# KiCad board INS-1 Matrix Display Motherboard.kicad_pcb (continued)
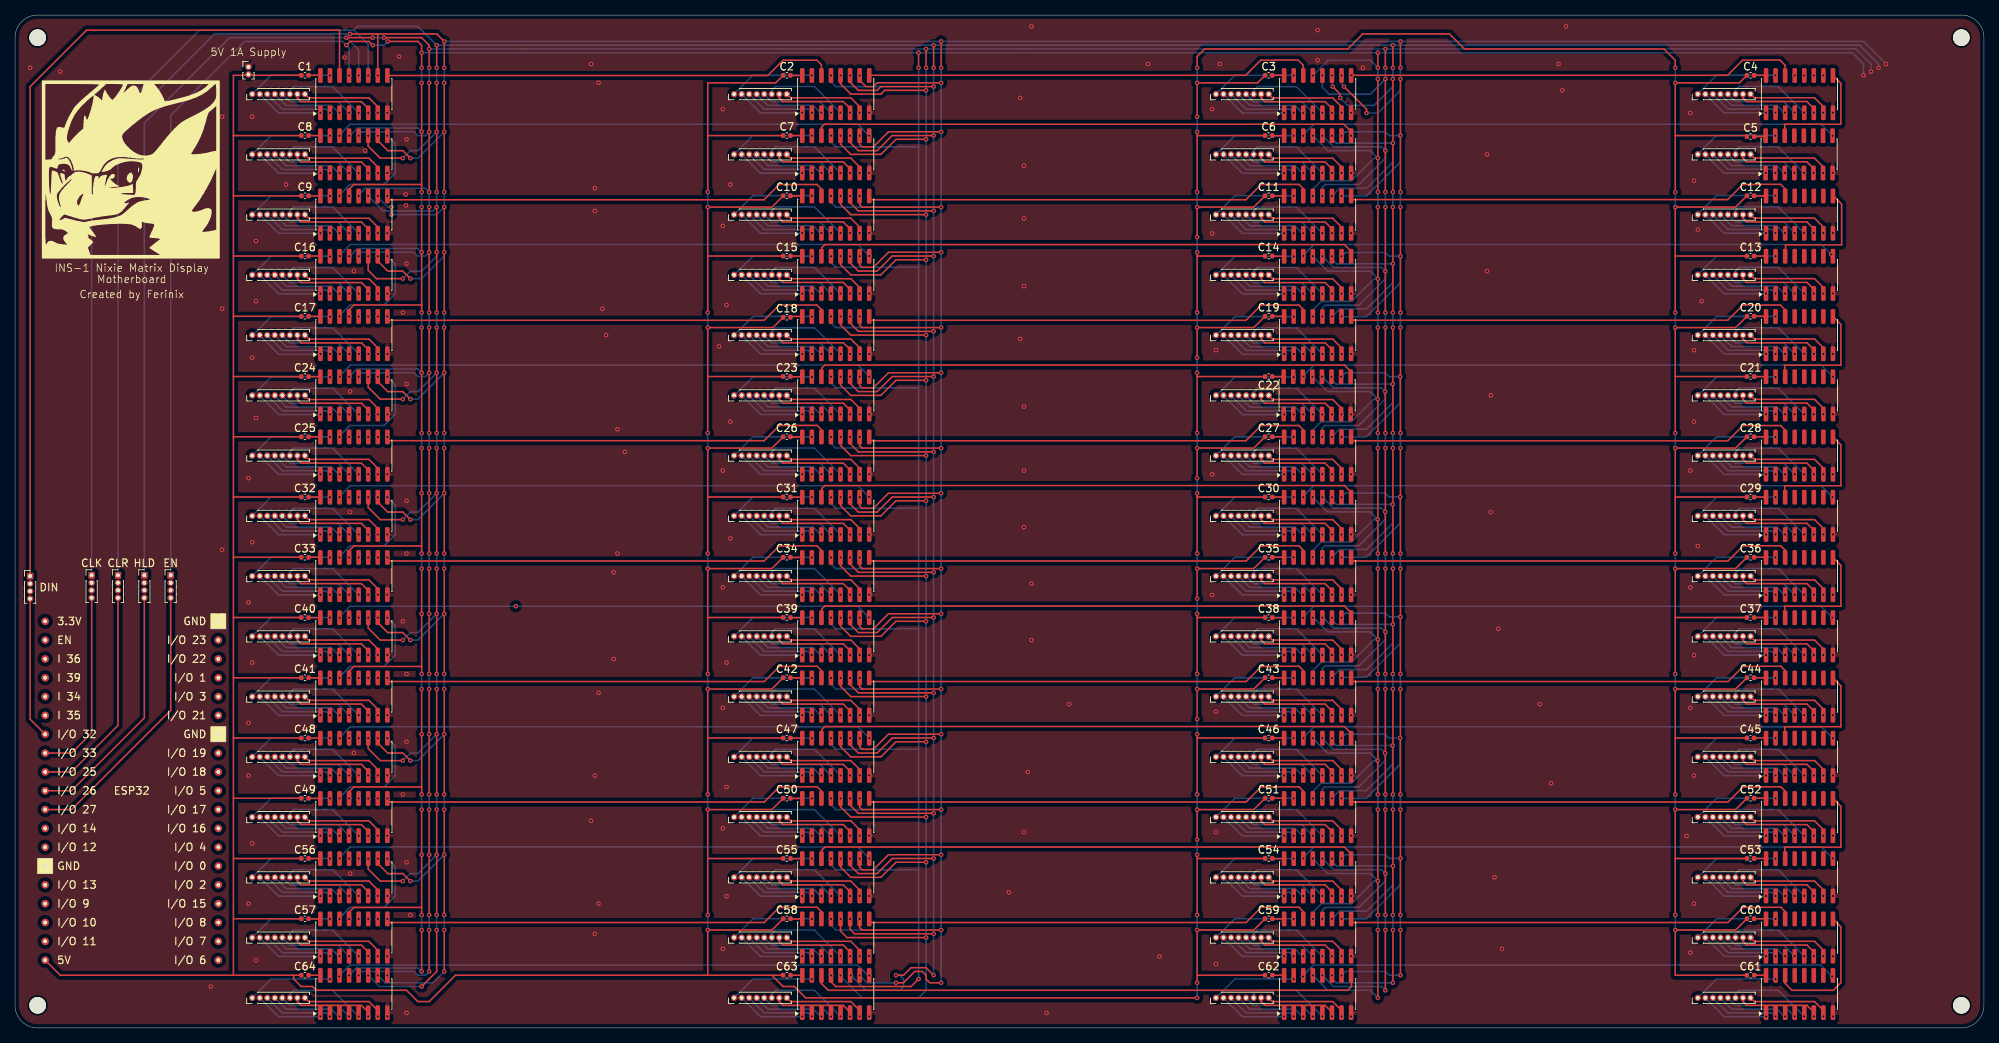
[diagram p0: board, top side]
## Routing (per net, layer and track width the routed paths; a pad name or vN(x,y) marks a point on that pad's centre or on a via; arc(x,y) is an arc through that point) (continued)
unconnected-(U16-QH-Pad7): length 11.2
  Top w0.2: 38.51,99.98 39.01,99.48 47.01,99.48 48.18,98.3 v1(48.18,97.5)
unconnected-(U17-QA-Pad15): length 11.4
  Bottom w0.2: v1(41.85,94.44) 41.82,94.47 34.02,94.47 31.52,91.97
unconnected-(U17-QB-Pad1): length 9.1
  Bottom w0.2: 32.52,91.97 35.02,89.47 40.55,89.47 v1(40.58,89.49)
unconnected-(U17-QC-Pad2): length 9.4
  Bottom w0.2: 33.52,91.97 35.52,89.97 41.37,89.97 v1(41.85,89.49)
unconnected-(U17-QD-Pad3): length 9.6
  Bottom w0.2: 34.52,91.97 36.02,90.47 42.02,90.47 43,89.49 v1(43.12,89.49)
unconnected-(U17-QE-Pad4): length 9.9
  Bottom w0.2: 35.52,91.97 36.52,90.97 42.91,90.97 v1(44.39,89.49)
unconnected-(U17-QF-Pad5): length 11.3
  Bottom w0.2: v1(45.66,89.49) 42.18,92.97 37.02,92.97 36.52,92.47 36.52,91.97
unconnected-(U17-QG-Pad6): length 11.1
  Top w0.2: v1(46.93,89.49) 46.93,90.06 46.02,90.97 38.02,90.97 37.52,91.47 37.52,91.97
unconnected-(U17-QH-Pad7): length 11.2
  Top w0.2: v1(48.2,89.49) 48.2,90.29 47.02,91.47 39.02,91.47 38.52,91.97
unconnected-(U18-QA-Pad15): length 11.4
  Bottom w0.2: v1(105.84,94.45) 105.82,94.48 98.02,94.48 95.52,91.98
unconnected-(U18-QB-Pad1): length 9.1
  Bottom w0.2: v1(104.57,89.5) 104.55,89.48 99.02,89.48 96.52,91.98
unconnected-(U18-QC-Pad2): length 9.4
  Bottom w0.2: v1(105.84,89.5) 105.37,89.98 99.52,89.98 97.52,91.98
unconnected-(U18-QD-Pad3): length 9.6
  Bottom w0.2: v1(107.11,89.5) 106.99,89.5 106.02,90.48 100.02,90.48 98.52,91.98
unconnected-(U18-QE-Pad4): length 9.9
  Bottom w0.2: 99.52,91.98 100.52,90.98 106.91,90.98 v1(108.38,89.5)
unconnected-(U18-QF-Pad5): length 11.3
  Bottom w0.2: v1(109.65,89.5) 106.18,92.98 101.02,92.98 100.52,92.48 100.52,91.98
unconnected-(U18-QG-Pad6): length 11.1
  Top w0.2: 101.52,91.98 101.52,91.48 102.02,90.98 110.02,90.98 110.92,90.07 v1(110.92,89.5)
unconnected-(U18-QH-Pad7): length 11.2
  Top w0.2: 102.52,91.98 103.02,91.48 111.02,91.48 112.19,90.3 v1(112.19,89.5)
unconnected-(U19-QA-Pad15): length 11.4
  Bottom w0.2: 159.52,91.96 162.02,94.46 169.82,94.46 v1(169.85,94.44)
unconnected-(U19-QB-Pad1): length 9.1
  Bottom w0.2: v1(168.58,89.49) 168.55,89.46 163.02,89.46 160.52,91.96
unconnected-(U19-QC-Pad2): length 9.4
  Bottom w0.2: v1(169.85,89.49) 169.37,89.96 163.52,89.96 161.52,91.96
unconnected-(U19-QD-Pad3): length 9.6
  Bottom w0.2: v1(171.12,89.49) 171,89.49 170.02,90.46 164.02,90.46 162.52,91.96
unconnected-(U19-QE-Pad4): length 9.9
  Bottom w0.2: v1(172.39,89.49) 170.91,90.96 164.52,90.96 163.52,91.96
unconnected-(U19-QF-Pad5): length 11.3
  Bottom w0.2: 164.52,91.96 164.52,92.46 165.02,92.96 170.18,92.96 v1(173.66,89.49)
unconnected-(U19-QG-Pad6): length 11.1
  Top w0.2: v1(174.93,89.49) 174.93,90.06 174.02,90.96 166.02,90.96 165.52,91.46 165.52,91.96
unconnected-(U19-QH-Pad7): length 11.2
  Top w0.2: 166.52,91.96 167.02,91.46 175.02,91.46 176.2,90.29 v1(176.2,89.49)
unconnected-(U20-QA-Pad15): length 11.4
  Bottom w0.2: 223.5,91.99 226,94.49 233.8,94.49 v1(233.83,94.46)
unconnected-(U20-QB-Pad1): length 9.1
  Bottom w0.2: v1(232.56,89.51) 232.53,89.49 227,89.49 224.5,91.99
unconnected-(U20-QC-Pad2): length 9.4
  Bottom w0.2: v1(233.83,89.51) 233.35,89.99 227.5,89.99 225.5,91.99
unconnected-(U20-QD-Pad3): length 9.6
  Bottom w0.2: 226.5,91.99 228,90.49 234,90.49 234.98,89.51 v1(235.1,89.51)
unconnected-(U20-QE-Pad4): length 9.9
  Bottom w0.2: 227.5,91.99 228.5,90.99 234.89,90.99 v1(236.37,89.51)
unconnected-(U20-QF-Pad5): length 11.3
  Bottom w0.2: v1(237.64,89.51) 234.16,92.99 229,92.99 228.5,92.49 228.5,91.99
unconnected-(U20-QG-Pad6): length 11.1
  Top w0.2: v1(238.91,89.51) 238.91,90.08 238,90.99 230,90.99 229.5,91.49 229.5,91.99
unconnected-(U20-QH-Pad7): length 11.2
  Top w0.2: v1(240.18,89.51) 240.18,90.31 239,91.49 231,91.49 230.5,91.99
unconnected-(U21-QA-Pad15): length 11.4
  Bottom w0.2: v1(233.82,86.44) 233.8,86.47 226,86.47 223.5,83.97
unconnected-(U21-QB-Pad1): length 9.1
  Bottom w0.2: v1(232.55,81.49) 232.53,81.47 227,81.47 224.5,83.97
unconnected-(U21-QC-Pad2): length 9.4
  Bottom w0.2: 225.5,83.97 227.5,81.97 233.35,81.97 v1(233.82,81.49)
unconnected-(U21-QD-Pad3): length 9.6
  Bottom w0.2: v1(235.09,81.49) 234.97,81.49 234,82.47 228,82.47 226.5,83.97
unconnected-(U21-QE-Pad4): length 9.9
  Bottom w0.2: v1(236.36,81.49) 234.89,82.97 228.5,82.97 227.5,83.97
unconnected-(U21-QF-Pad5): length 11.3
  Bottom w0.2: v1(237.63,81.49) 234.16,84.97 229,84.97 228.5,84.47 228.5,83.97
unconnected-(U21-QG-Pad6): length 11.1
  Top w0.2: v1(238.9,81.49) 238.9,82.06 238,82.97 230,82.97 229.5,83.47 229.5,83.97
unconnected-(U21-QH-Pad7): length 11.2
  Top w0.2: v1(240.17,81.49) 240.17,82.29 239,83.47 231,83.47 230.5,83.97
unconnected-(U22-QA-Pad15): length 11.4
  Bottom w0.2: v1(169.84,86.42) 169.82,86.44 162.02,86.44 159.52,83.94
unconnected-(U22-QB-Pad1): length 9.1
  Bottom w0.2: 160.52,83.94 163.02,81.44 168.55,81.44 v1(168.57,81.47)
unconnected-(U22-QC-Pad2): length 9.4
  Bottom w0.2: 161.52,83.94 163.52,81.94 169.37,81.94 v1(169.84,81.47)
unconnected-(U22-QD-Pad3): length 9.6
  Bottom w0.2: 162.52,83.94 164.02,82.44 170.02,82.44 170.99,81.47 v1(171.11,81.47)
unconnected-(U22-QE-Pad4): length 9.9
  Bottom w0.2: v1(172.38,81.47) 170.91,82.94 164.52,82.94 163.52,83.94
unconnected-(U22-QF-Pad5): length 11.3
  Bottom w0.2: v1(173.65,81.47) 170.18,84.94 165.02,84.94 164.52,84.44 164.52,83.94
unconnected-(U22-QG-Pad6): length 11.1
  Top w0.2: v1(174.92,81.47) 174.92,82.04 174.02,82.94 166.02,82.94 165.52,83.44 165.52,83.94
unconnected-(U22-QH-Pad7): length 11.2
  Top w0.2: 166.52,83.94 167.02,83.44 175.02,83.44 176.19,82.27 v1(176.19,81.47)
unconnected-(U23-QA-Pad15): length 11.4
  Bottom w0.2: 95.51,83.96 98.01,86.46 105.81,86.46 v1(105.83,86.43)
unconnected-(U23-QB-Pad1): length 36.4
  Bottom w0.2: v1(232.56,1.53) 232.53,1.5 227,1.5 224.5,4 ; 160.5,4 163,1.5 168.53,1.5 v1(168.56,1.53) ; 32.5,4 35,1.5 40.53,1.5 v1(40.55,1.53) ; v1(104.56,81.48) 104.54,81.46 99.01,81.46 96.51,83.96
unconnected-(U23-QC-Pad2): length 37.4
  Bottom w0.2: v1(41.83,1.53) 41.35,2 35.5,2 33.5,4 ; v1(233.82,1.53) 233.35,2 227.5,2 225.5,4 ; v1(169.82,1.53) 169.35,2 163.5,2 161.5,4 ; 97.51,83.96 99.51,81.96 105.36,81.96 v1(105.83,81.48)
unconnected-(U23-QD-Pad3): length 38.5
  Bottom w0.2: v1(171.09,1.53) 170.97,1.53 170,2.5 164,2.5 162.5,4 ; 226.5,4 228,2.5 234,2.5 234.97,1.53 v1(235.09,1.53) ; 98.51,83.96 100.01,82.46 106.01,82.46 106.98,81.48 v1(107.1,81.48) ; v1(43.09,1.53) 42.98,1.53 42,2.5 36,2.5 34.5,4
unconnected-(U23-QE-Pad4): length 39.6
  Bottom w0.2: 163.5,4 164.5,3 170.89,3 v1(172.37,1.53) ; 35.5,4 36.5,3 42.89,3 v1(44.37,1.53) ; 227.5,4 228.5,3 234.89,3 v1(236.37,1.53) ; 99.51,83.96 100.51,82.96 106.9,82.96 v1(108.37,81.48)
unconnected-(U23-QF-Pad5): length 45.1
  Bottom w0.2: 228.5,4 228.5,4.5 229,5 234.16,5 v1(237.63,1.53) ; 36.5,4 36.5,4.5 37,5 42.16,5 v1(45.63,1.53) ; v1(173.63,1.53) 170.16,5 165,5 164.5,4.5 164.5,4 ; 100.51,83.96 100.51,84.46 101.01,84.96 106.17,84.96 v1(109.64,81.48)
unconnected-(U23-QG-Pad6): length 44.2
  Top w0.2: 165.5,4 165.5,3.5 166,3 174,3 174.91,2.09 v1(174.91,1.53) ; v1(238.91,1.53) 238.91,2.09 238,3 230,3 229.5,3.5 229.5,4 ; v1(46.91,1.53) 46.91,2.09 46,3 38,3 37.5,3.5 37.5,4 ; v1(110.91,81.48) 110.91,82.05 110.01,82.96 102.01,82.96 101.51,83.46 101.51,83.96
unconnected-(U23-QH-Pad7): length 11.2
  Top w0.2: 102.51,83.96 103.01,83.46 111.01,83.46 112.18,82.28 v1(112.18,81.48)
unconnected-(U24-QA-Pad15): length 11.4
  Bottom w0.2: 31.51,83.95 34.01,86.45 41.81,86.45 v1(41.84,86.42)
unconnected-(U24-QB-Pad1): length 9.1
  Bottom w0.2: v1(40.57,81.47) 40.54,81.45 35.01,81.45 32.51,83.95
unconnected-(U24-QC-Pad2): length 9.4
  Bottom w0.2: v1(41.84,81.47) 41.36,81.95 35.51,81.95 33.51,83.95
unconnected-(U24-QD-Pad3): length 9.6
  Bottom w0.2: v1(43.11,81.47) 42.99,81.47 42.01,82.45 36.01,82.45 34.51,83.95
unconnected-(U24-QE-Pad4): length 9.9
  Bottom w0.2: v1(44.38,81.47) 42.9,82.95 36.51,82.95 35.51,83.95
unconnected-(U24-QF-Pad5): length 11.3
  Bottom w0.2: 36.51,83.95 36.51,84.45 37.01,84.95 42.17,84.95 v1(45.65,81.47)
unconnected-(U24-QG-Pad6): length 11.1
  Top w0.2: v1(46.92,81.47) 46.92,82.04 46.01,82.95 38.01,82.95 37.51,83.45 37.51,83.95
unconnected-(U24-QH-Pad7): length 11.2
  Top w0.2: v1(48.19,81.47) 48.19,82.27 47.01,83.45 39.01,83.45 38.51,83.95
unconnected-(U25-QA-Pad15): length 11.4
  Bottom w0.2: v1(41.83,78.47) 41.8,78.5 34,78.5 31.5,76
unconnected-(U25-QB-Pad1): length 9.1
  Bottom w0.2: 32.5,76 35,73.5 40.53,73.5 v1(40.55,73.53)
unconnected-(U25-QC-Pad2): length 9.4
  Bottom w0.2: v1(41.83,73.53) 41.35,74 35.5,74 33.5,76
unconnected-(U25-QD-Pad3): length 9.6
  Bottom w0.2: v1(43.09,73.53) 42.98,73.53 42,74.5 36,74.5 34.5,76
unconnected-(U25-QE-Pad4): length 9.9
  Bottom w0.2: 35.5,76 36.5,75 42.89,75 v1(44.37,73.53)
unconnected-(U25-QF-Pad5): length 11.3
  Bottom w0.2: 36.5,76 36.5,76.5 37,77 42.16,77 v1(45.63,73.53)
unconnected-(U25-QG-Pad6): length 11.1
  Top w0.2: 37.5,76 37.5,75.5 38,75 46,75 46.91,74.09 v1(46.91,73.53)
unconnected-(U25-QH-Pad7): length 11.2
  Top w0.2: 38.5,76 39,75.5 47,75.5 48.17,74.33 v1(48.17,73.53)
unconnected-(U26-QA-Pad15): length 11.4
  Bottom w0.2: 95.5,76 98,78.5 105.8,78.5 v1(105.83,78.47)
unconnected-(U26-QB-Pad1): length 9.1
  Bottom w0.2: v1(104.56,73.53) 104.53,73.5 99,73.5 96.5,76
unconnected-(U26-QC-Pad2): length 9.4
  Bottom w0.2: v1(105.83,73.53) 105.35,74 99.5,74 97.5,76
unconnected-(U26-QD-Pad3): length 9.6
  Bottom w0.2: v1(107.09,73.53) 106.97,73.53 106,74.5 100,74.5 98.5,76
unconnected-(U26-QE-Pad4): length 9.9
  Bottom w0.2: v1(108.36,73.53) 106.89,75 100.5,75 99.5,76
unconnected-(U26-QF-Pad5): length 11.3
  Bottom w0.2: 100.5,76 100.5,76.5 101,77 106.16,77 v1(109.64,73.53)
unconnected-(U26-QG-Pad6): length 11.1
  Top w0.2: 101.5,76 101.5,75.5 102,75 110,75 110.91,74.09 v1(110.91,73.53)
unconnected-(U26-QH-Pad7): length 11.2
  Top w0.2: v1(112.18,73.53) 112.18,74.33 111,75.5 103,75.5 102.5,76
unconnected-(U27-QA-Pad15): length 11.4
  Bottom w0.2: v1(169.82,78.47) 169.8,78.5 162,78.5 159.5,76
unconnected-(U27-QB-Pad1): length 9.1
  Bottom w0.2: 160.5,76 163,73.5 168.53,73.5 v1(168.56,73.53)
unconnected-(U27-QC-Pad2): length 9.4
  Bottom w0.2: 161.5,76 163.5,74 169.35,74 v1(169.82,73.53)
unconnected-(U27-QD-Pad3): length 9.6
  Bottom w0.2: 162.5,76 164,74.5 170,74.5 170.97,73.53 v1(171.09,73.53)
unconnected-(U27-QE-Pad4): length 9.9
  Bottom w0.2: v1(172.37,73.53) 170.89,75 164.5,75 163.5,76
unconnected-(U27-QF-Pad5): length 11.3
  Bottom w0.2: v1(173.63,73.53) 170.16,77 165,77 164.5,76.5 164.5,76
unconnected-(U27-QG-Pad6): length 11.1
  Top w0.2: v1(174.91,73.53) 174.91,74.09 174,75 166,75 165.5,75.5 165.5,76
unconnected-(U27-QH-Pad7): length 11.2
  Top w0.2: 166.5,76 167,75.5 175,75.5 176.18,74.33 v1(176.18,73.53)
unconnected-(U28-QA-Pad15): length 11.4
  Bottom w0.2: 223.5,76 226,78.5 233.8,78.5 v1(233.82,78.47)
unconnected-(U28-QB-Pad1): length 9.1
  Bottom w0.2: 224.5,76 227,73.5 232.53,73.5 v1(232.56,73.53)
unconnected-(U28-QC-Pad2): length 9.4
  Bottom w0.2: 225.5,76 227.5,74 233.35,74 v1(233.82,73.53)
unconnected-(U28-QD-Pad3): length 9.6
  Bottom w0.2: 226.5,76 228,74.5 234,74.5 234.97,73.53 v1(235.09,73.53)
unconnected-(U28-QE-Pad4): length 9.9
  Bottom w0.2: v1(236.37,73.53) 234.89,75 228.5,75 227.5,76
unconnected-(U28-QF-Pad5): length 11.3
  Bottom w0.2: v1(237.63,73.53) 234.16,77 229,77 228.5,76.5 228.5,76
unconnected-(U28-QG-Pad6): length 11.1
  Top w0.2: 229.5,76 229.5,75.5 230,75 238,75 238.91,74.09 v1(238.91,73.53)
unconnected-(U28-QH-Pad7): length 11.2
  Top w0.2: 230.5,76 231,75.5 239,75.5 240.18,74.33 v1(240.18,73.53)
unconnected-(U29-QA-Pad15): length 11.4
  Bottom w0.2: v1(233.82,70.47) 233.8,70.5 226,70.5 223.5,68
unconnected-(U29-QB-Pad1): length 9.1
  Bottom w0.2: v1(232.56,65.53) 232.53,65.5 227,65.5 224.5,68
unconnected-(U29-QC-Pad2): length 9.4
  Bottom w0.2: 225.5,68 227.5,66 233.35,66 v1(233.82,65.53)
unconnected-(U29-QD-Pad3): length 9.6
  Bottom w0.2: v1(235.09,65.53) 234.97,65.53 234,66.5 228,66.5 226.5,68
unconnected-(U29-QE-Pad4): length 9.9
  Bottom w0.2: v1(236.37,65.53) 234.89,67 228.5,67 227.5,68
unconnected-(U29-QF-Pad5): length 11.3
  Bottom w0.2: 228.5,68 228.5,68.5 229,69 234.16,69 v1(237.63,65.53)
unconnected-(U29-QG-Pad6): length 11.1
  Top w0.2: 229.5,68 229.5,67.5 230,67 238,67 238.91,66.09 v1(238.91,65.53)
unconnected-(U29-QH-Pad7): length 11.2
  Top w0.2: v1(240.18,65.53) 240.18,66.33 239,67.5 231,67.5 230.5,68
unconnected-(U30-QA-Pad15): length 11.4
  Bottom w0.2: v1(169.82,70.47) 169.8,70.5 162,70.5 159.5,68
unconnected-(U30-QB-Pad1): length 9.1
  Bottom w0.2: v1(168.56,65.53) 168.53,65.5 163,65.5 160.5,68
unconnected-(U30-QC-Pad2): length 9.4
  Bottom w0.2: v1(169.82,65.53) 169.35,66 163.5,66 161.5,68
unconnected-(U30-QD-Pad3): length 9.6
  Bottom w0.2: v1(171.09,65.53) 170.97,65.53 170,66.5 164,66.5 162.5,68
unconnected-(U30-QE-Pad4): length 9.9
  Bottom w0.2: v1(172.37,65.53) 170.89,67 164.5,67 163.5,68
unconnected-(U30-QF-Pad5): length 11.3
  Bottom w0.2: 164.5,68 164.5,68.5 165,69 170.16,69 v1(173.63,65.53)
unconnected-(U30-QG-Pad6): length 11.1
  Top w0.2: v1(174.91,65.53) 174.91,66.09 174,67 166,67 165.5,67.5 165.5,68
unconnected-(U30-QH-Pad7): length 11.2
  Top w0.2: v1(176.18,65.53) 176.18,66.33 175,67.5 167,67.5 166.5,68
unconnected-(U31-QA-Pad15): length 11.4
  Bottom w0.2: 95.5,68 98,70.5 105.8,70.5 v1(105.83,70.47)
unconnected-(U31-QB-Pad1): length 9.1
  Bottom w0.2: v1(104.56,65.53) 104.53,65.5 99,65.5 96.5,68
unconnected-(U31-QC-Pad2): length 9.4
  Bottom w0.2: 97.5,68 99.5,66 105.35,66 v1(105.83,65.53)
unconnected-(U31-QD-Pad3): length 9.6
  Bottom w0.2: 98.5,68 100,66.5 106,66.5 106.97,65.53 v1(107.09,65.53)
unconnected-(U31-QE-Pad4): length 9.9
  Bottom w0.2: 99.5,68 100.5,67 106.89,67 v1(108.36,65.53)
unconnected-(U31-QF-Pad5): length 11.3
  Bottom w0.2: 100.5,68 100.5,68.5 101,69 106.16,69 v1(109.64,65.53)
unconnected-(U31-QG-Pad6): length 11.1
  Top w0.2: 101.5,68 101.5,67.5 102,67 110,67 110.91,66.09 v1(110.91,65.53)
unconnected-(U31-QH-Pad7): length 11.2
  Top w0.2: v1(112.18,65.53) 112.18,66.33 111,67.5 103,67.5 102.5,68
unconnected-(U32-QA-Pad15): length 11.4
  Bottom w0.2: 31.5,68 34,70.5 41.8,70.5 v1(41.83,70.47)
unconnected-(U32-QB-Pad1): length 9.1
  Bottom w0.2: v1(40.55,65.53) 40.53,65.5 35,65.5 32.5,68
unconnected-(U32-QC-Pad2): length 9.4
  Bottom w0.2: v1(41.83,65.53) 41.35,66 35.5,66 33.5,68
unconnected-(U32-QD-Pad3): length 9.6
  Bottom w0.2: v1(43.09,65.53) 42.98,65.53 42,66.5 36,66.5 34.5,68
unconnected-(U32-QE-Pad4): length 9.9
  Bottom w0.2: 35.5,68 36.5,67 42.89,67 v1(44.37,65.53)
unconnected-(U32-QF-Pad5): length 11.3
  Bottom w0.2: v1(45.63,65.53) 42.16,69 37,69 36.5,68.5 36.5,68
unconnected-(U32-QG-Pad6): length 11.1
  Top w0.2: v1(46.91,65.53) 46.91,66.09 46,67 38,67 37.5,67.5 37.5,68
unconnected-(U32-QH-Pad7): length 11.2
  Top w0.2: 38.5,68 39,67.5 47,67.5 48.17,66.33 v1(48.17,65.53)
unconnected-(U33-QA-Pad15): length 11.4
  Bottom w0.2: v1(41.83,62.47) 41.8,62.5 34,62.5 31.5,60
unconnected-(U33-QB-Pad1): length 9.1
  Bottom w0.2: 32.5,60 35,57.5 40.53,57.5 v1(40.55,57.53)
unconnected-(U33-QC-Pad2): length 9.4
  Bottom w0.2: 33.5,60 35.5,58 41.35,58 v1(41.83,57.53)
unconnected-(U33-QD-Pad3): length 9.6
  Bottom w0.2: 34.5,60 36,58.5 42,58.5 42.98,57.53 v1(43.09,57.53)
unconnected-(U33-QE-Pad4): length 9.9
  Bottom w0.2: v1(44.37,57.53) 42.89,59 36.5,59 35.5,60
unconnected-(U33-QF-Pad5): length 11.3
  Bottom w0.2: 36.5,60 36.5,60.5 37,61 42.16,61 v1(45.63,57.53)
unconnected-(U33-QG-Pad6): length 11.1
  Top w0.2: 37.5,60 37.5,59.5 38,59 46,59 46.91,58.09 v1(46.91,57.53)
unconnected-(U33-QH-Pad7): length 11.2
  Top w0.2: v1(48.17,57.53) 48.17,58.33 47,59.5 39,59.5 38.5,60
unconnected-(U34-QA-Pad15): length 11.4
  Bottom w0.2: v1(105.83,62.47) 105.8,62.5 98,62.5 95.5,60
unconnected-(U34-QB-Pad1): length 9.1
  Bottom w0.2: v1(104.56,57.53) 104.53,57.5 99,57.5 96.5,60
unconnected-(U34-QC-Pad2): length 9.4
  Bottom w0.2: 97.5,60 99.5,58 105.35,58 v1(105.83,57.53)
unconnected-(U34-QD-Pad3): length 9.6
  Bottom w0.2: v1(107.09,57.53) 106.97,57.53 106,58.5 100,58.5 98.5,60
unconnected-(U34-QE-Pad4): length 9.9
  Bottom w0.2: 99.5,60 100.5,59 106.89,59 v1(108.36,57.53)
unconnected-(U34-QF-Pad5): length 11.3
  Bottom w0.2: 100.5,60 100.5,60.5 101,61 106.16,61 v1(109.64,57.53)
unconnected-(U34-QG-Pad6): length 11.1
  Top w0.2: 101.5,60 101.5,59.5 102,59 110,59 110.91,58.09 v1(110.91,57.53)
unconnected-(U34-QH-Pad7): length 11.2
  Top w0.2: 102.5,60 103,59.5 111,59.5 112.18,58.33 v1(112.18,57.53)
unconnected-(U35-QA-Pad15): length 11.4
  Bottom w0.2: 159.5,60 162,62.5 169.8,62.5 v1(169.82,62.47)
unconnected-(U35-QB-Pad1): length 9.1
  Bottom w0.2: 160.5,60 163,57.5 168.53,57.5 v1(168.56,57.53)
unconnected-(U35-QC-Pad2): length 9.4
  Bottom w0.2: 161.5,60 163.5,58 169.35,58 v1(169.82,57.53)
unconnected-(U35-QD-Pad3): length 9.6
  Bottom w0.2: v1(171.09,57.53) 170.97,57.53 170,58.5 164,58.5 162.5,60
unconnected-(U35-QE-Pad4): length 9.9
  Bottom w0.2: 163.5,60 164.5,59 170.89,59 v1(172.37,57.53)
unconnected-(U35-QF-Pad5): length 11.3
  Bottom w0.2: 164.5,60 164.5,60.5 165,61 170.16,61 v1(173.63,57.53)
unconnected-(U35-QG-Pad6): length 11.1
  Top w0.2: v1(174.91,57.53) 174.91,58.09 174,59 166,59 165.5,59.5 165.5,60
unconnected-(U35-QH-Pad7): length 11.2
  Top w0.2: 166.5,60 167,59.5 175,59.5 176.18,58.33 v1(176.18,57.53)
unconnected-(U36-QA-Pad15): length 11.4
  Bottom w0.2: v1(233.82,62.47) 233.8,62.5 226,62.5 223.5,60
unconnected-(U36-QB-Pad1): length 9.1
  Bottom w0.2: v1(232.56,57.53) 232.53,57.5 227,57.5 224.5,60
unconnected-(U36-QC-Pad2): length 9.4
  Bottom w0.2: v1(233.82,57.53) 233.35,58 227.5,58 225.5,60
unconnected-(U36-QD-Pad3): length 9.6
  Bottom w0.2: 226.5,60 228,58.5 234,58.5 234.97,57.53 v1(235.09,57.53)
unconnected-(U36-QE-Pad4): length 9.9
  Bottom w0.2: 227.5,60 228.5,59 234.89,59 v1(236.37,57.53)
unconnected-(U36-QF-Pad5): length 11.3
  Bottom w0.2: v1(237.63,57.53) 234.16,61 229,61 228.5,60.5 228.5,60
unconnected-(U36-QG-Pad6): length 11.1
  Top w0.2: v1(238.91,57.53) 238.91,58.09 238,59 230,59 229.5,59.5 229.5,60
unconnected-(U36-QH-Pad7): length 11.2
  Top w0.2: 230.5,60 231,59.5 239,59.5 240.18,58.33 v1(240.18,57.53)
unconnected-(U37-QA-Pad15): length 11.4
  Bottom w0.2: 223.5,52 226,54.5 233.8,54.5 v1(233.82,54.47)
unconnected-(U37-QB-Pad1): length 9.1
  Bottom w0.2: 224.5,52 227,49.5 232.53,49.5 v1(232.56,49.53)
unconnected-(U37-QC-Pad2): length 9.4
  Bottom w0.2: 225.5,52 227.5,50 233.35,50 v1(233.82,49.53)
unconnected-(U37-QD-Pad3): length 9.6
  Bottom w0.2: 226.5,52 228,50.5 234,50.5 234.97,49.53 v1(235.09,49.53)
unconnected-(U37-QE-Pad4): length 9.9
  Bottom w0.2: 227.5,52 228.5,51 234.89,51 v1(236.37,49.53)
unconnected-(U37-QF-Pad5): length 11.3
  Bottom w0.2: v1(237.63,49.53) 234.16,53 229,53 228.5,52.5 228.5,52
unconnected-(U37-QG-Pad6): length 11.1
  Top w0.2: v1(238.91,49.53) 238.91,50.09 238,51 230,51 229.5,51.5 229.5,52
unconnected-(U37-QH-Pad7): length 11.2
  Top w0.2: v1(240.18,49.53) 240.18,50.33 239,51.5 231,51.5 230.5,52
unconnected-(U38-QA-Pad15): length 11.4
  Bottom w0.2: v1(169.82,54.47) 169.8,54.5 162,54.5 159.5,52
unconnected-(U38-QB-Pad1): length 9.1
  Bottom w0.2: 160.5,52 163,49.5 168.53,49.5 v1(168.56,49.53)
unconnected-(U38-QC-Pad2): length 9.4
  Bottom w0.2: 161.5,52 163.5,50 169.35,50 v1(169.82,49.53)
unconnected-(U38-QD-Pad3): length 9.6
  Bottom w0.2: v1(171.09,49.53) 170.97,49.53 170,50.5 164,50.5 162.5,52
unconnected-(U38-QE-Pad4): length 9.9
  Bottom w0.2: v1(172.37,49.53) 170.89,51 164.5,51 163.5,52
unconnected-(U38-QF-Pad5): length 11.3
  Bottom w0.2: 164.5,52 164.5,52.5 165,53 170.16,53 v1(173.63,49.53)
unconnected-(U38-QG-Pad6): length 11.1
  Top w0.2: 165.5,52 165.5,51.5 166,51 174,51 174.91,50.09 v1(174.91,49.53)
unconnected-(U38-QH-Pad7): length 11.2
  Top w0.2: v1(176.18,49.53) 176.18,50.33 175,51.5 167,51.5 166.5,52
unconnected-(U39-QA-Pad15): length 11.4
  Bottom w0.2: v1(105.83,54.47) 105.8,54.5 98,54.5 95.5,52
unconnected-(U39-QB-Pad1): length 9.1
  Bottom w0.2: 96.5,52 99,49.5 104.53,49.5 v1(104.56,49.53)
unconnected-(U39-QC-Pad2): length 9.4
  Bottom w0.2: 97.5,52 99.5,50 105.35,50 v1(105.83,49.53)
unconnected-(U39-QD-Pad3): length 9.6
  Bottom w0.2: v1(107.09,49.53) 106.97,49.53 106,50.5 100,50.5 98.5,52
unconnected-(U39-QE-Pad4): length 9.9
  Bottom w0.2: 99.5,52 100.5,51 106.89,51 v1(108.36,49.53)
unconnected-(U39-QF-Pad5): length 11.3
  Bottom w0.2: 100.5,52 100.5,52.5 101,53 106.16,53 v1(109.64,49.53)
unconnected-(U39-QG-Pad6): length 11.1
  Top w0.2: v1(110.91,49.53) 110.91,50.09 110,51 102,51 101.5,51.5 101.5,52
unconnected-(U39-QH-Pad7): length 11.2
  Top w0.2: v1(112.18,49.53) 112.18,50.33 111,51.5 103,51.5 102.5,52
unconnected-(U40-QA-Pad15): length 11.4
  Bottom w0.2: v1(41.83,54.47) 41.8,54.5 34,54.5 31.5,52
unconnected-(U40-QB-Pad1): length 9.1
  Bottom w0.2: v1(40.55,49.53) 40.53,49.5 35,49.5 32.5,52
unconnected-(U40-QC-Pad2): length 9.4
  Bottom w0.2: v1(41.83,49.53) 41.35,50 35.5,50 33.5,52
unconnected-(U40-QD-Pad3): length 9.6
  Bottom w0.2: v1(43.09,49.53) 42.98,49.53 42,50.5 36,50.5 34.5,52
unconnected-(U40-QE-Pad4): length 9.9
  Bottom w0.2: 35.5,52 36.5,51 42.89,51 v1(44.37,49.53)
unconnected-(U40-QF-Pad5): length 11.3
  Bottom w0.2: 36.5,52 36.5,52.5 37,53 42.16,53 v1(45.63,49.53)
unconnected-(U40-QG-Pad6): length 11.1
  Top w0.2: 37.5,52 37.5,51.5 38,51 46,51 46.91,50.09 v1(46.91,49.53)
unconnected-(U40-QH-Pad7): length 11.2
  Top w0.2: v1(48.17,49.53) 48.17,50.33 47,51.5 39,51.5 38.5,52
unconnected-(U41-QA-Pad15): length 11.4
  Bottom w0.2: v1(41.83,46.47) 41.8,46.5 34,46.5 31.5,44
unconnected-(U41-QB-Pad1): length 9.1
  Bottom w0.2: 32.5,44 35,41.5 40.53,41.5 v1(40.55,41.53)
unconnected-(U41-QC-Pad2): length 9.4
  Bottom w0.2: v1(41.83,41.53) 41.35,42 35.5,42 33.5,44
unconnected-(U41-QD-Pad3): length 9.6
  Bottom w0.2: 34.5,44 36,42.5 42,42.5 42.98,41.53 v1(43.09,41.53)
unconnected-(U41-QE-Pad4): length 9.9
  Bottom w0.2: 35.5,44 36.5,43 42.89,43 v1(44.37,41.53)
unconnected-(U41-QF-Pad5): length 11.3
  Bottom w0.2: 36.5,44 36.5,44.5 37,45 42.16,45 v1(45.63,41.53)
unconnected-(U41-QG-Pad6): length 11.1
  Top w0.2: 37.5,44 37.5,43.5 38,43 46,43 46.91,42.09 v1(46.91,41.53)
unconnected-(U41-QH-Pad7): length 11.2
  Top w0.2: v1(48.17,41.53) 48.17,42.33 47,43.5 39,43.5 38.5,44
unconnected-(U42-QA-Pad15): length 11.4
  Bottom w0.2: v1(105.83,46.47) 105.8,46.5 98,46.5 95.5,44
unconnected-(U42-QB-Pad1): length 9.1
  Bottom w0.2: v1(104.56,41.53) 104.53,41.5 99,41.5 96.5,44
unconnected-(U42-QC-Pad2): length 9.4
  Bottom w0.2: v1(105.83,41.53) 105.35,42 99.5,42 97.5,44
unconnected-(U42-QD-Pad3): length 9.6
  Bottom w0.2: v1(107.09,41.53) 106.97,41.53 106,42.5 100,42.5 98.5,44
unconnected-(U42-QE-Pad4): length 9.9
  Bottom w0.2: 99.5,44 100.5,43 106.89,43 v1(108.36,41.53)
unconnected-(U42-QF-Pad5): length 11.3
  Bottom w0.2: v1(109.64,41.53) 106.16,45 101,45 100.5,44.5 100.5,44
unconnected-(U42-QG-Pad6): length 11.1
  Top w0.2: v1(110.91,41.53) 110.91,42.09 110,43 102,43 101.5,43.5 101.5,44
unconnected-(U42-QH-Pad7): length 11.2
  Top w0.2: 102.5,44 103,43.5 111,43.5 112.18,42.33 v1(112.18,41.53)
unconnected-(U43-QA-Pad15): length 11.4
  Bottom w0.2: v1(169.82,46.47) 169.8,46.5 162,46.5 159.5,44
unconnected-(U43-QB-Pad1): length 9.1
  Bottom w0.2: 160.5,44 163,41.5 168.53,41.5 v1(168.56,41.53)
unconnected-(U43-QC-Pad2): length 9.4
  Bottom w0.2: v1(169.82,41.53) 169.35,42 163.5,42 161.5,44
unconnected-(U43-QD-Pad3): length 9.6
  Bottom w0.2: v1(171.09,41.53) 170.97,41.53 170,42.5 164,42.5 162.5,44
unconnected-(U43-QE-Pad4): length 9.9
  Bottom w0.2: v1(172.37,41.53) 170.89,43 164.5,43 163.5,44
unconnected-(U43-QF-Pad5): length 11.3
  Bottom w0.2: v1(173.63,41.53) 170.16,45 165,45 164.5,44.5 164.5,44
unconnected-(U43-QG-Pad6): length 11.1
  Top w0.2: v1(174.91,41.53) 174.91,42.09 174,43 166,43 165.5,43.5 165.5,44
unconnected-(U43-QH-Pad7): length 11.2
  Top w0.2: 166.5,44 167,43.5 175,43.5 176.18,42.33 v1(176.18,41.53)
unconnected-(U44-QA-Pad15): length 11.4
  Bottom w0.2: 223.5,44 226,46.5 233.8,46.5 v1(233.82,46.47)
unconnected-(U44-QB-Pad1): length 9.1
  Bottom w0.2: v1(232.56,41.53) 232.53,41.5 227,41.5 224.5,44
unconnected-(U44-QC-Pad2): length 9.4
  Bottom w0.2: 225.5,44 227.5,42 233.35,42 v1(233.82,41.53)
unconnected-(U44-QD-Pad3): length 9.6
  Bottom w0.2: 226.5,44 228,42.5 234,42.5 234.97,41.53 v1(235.09,41.53)
unconnected-(U44-QE-Pad4): length 9.9
  Bottom w0.2: v1(236.37,41.53) 234.89,43 228.5,43 227.5,44
unconnected-(U44-QF-Pad5): length 11.3
  Bottom w0.2: v1(237.63,41.53) 234.16,45 229,45 228.5,44.5 228.5,44
unconnected-(U44-QG-Pad6): length 11.1
  Top w0.2: v1(238.91,41.53) 238.91,42.09 238,43 230,43 229.5,43.5 229.5,44
unconnected-(U44-QH-Pad7): length 11.2
  Top w0.2: v1(240.18,41.53) 240.18,42.33 239,43.5 231,43.5 230.5,44
unconnected-(U45-QA-Pad15): length 11.4
  Bottom w0.2: v1(233.82,38.47) 233.8,38.5 226,38.5 223.5,36
